# KiCad board PB-TMDSP.kicad_pcb (continued)
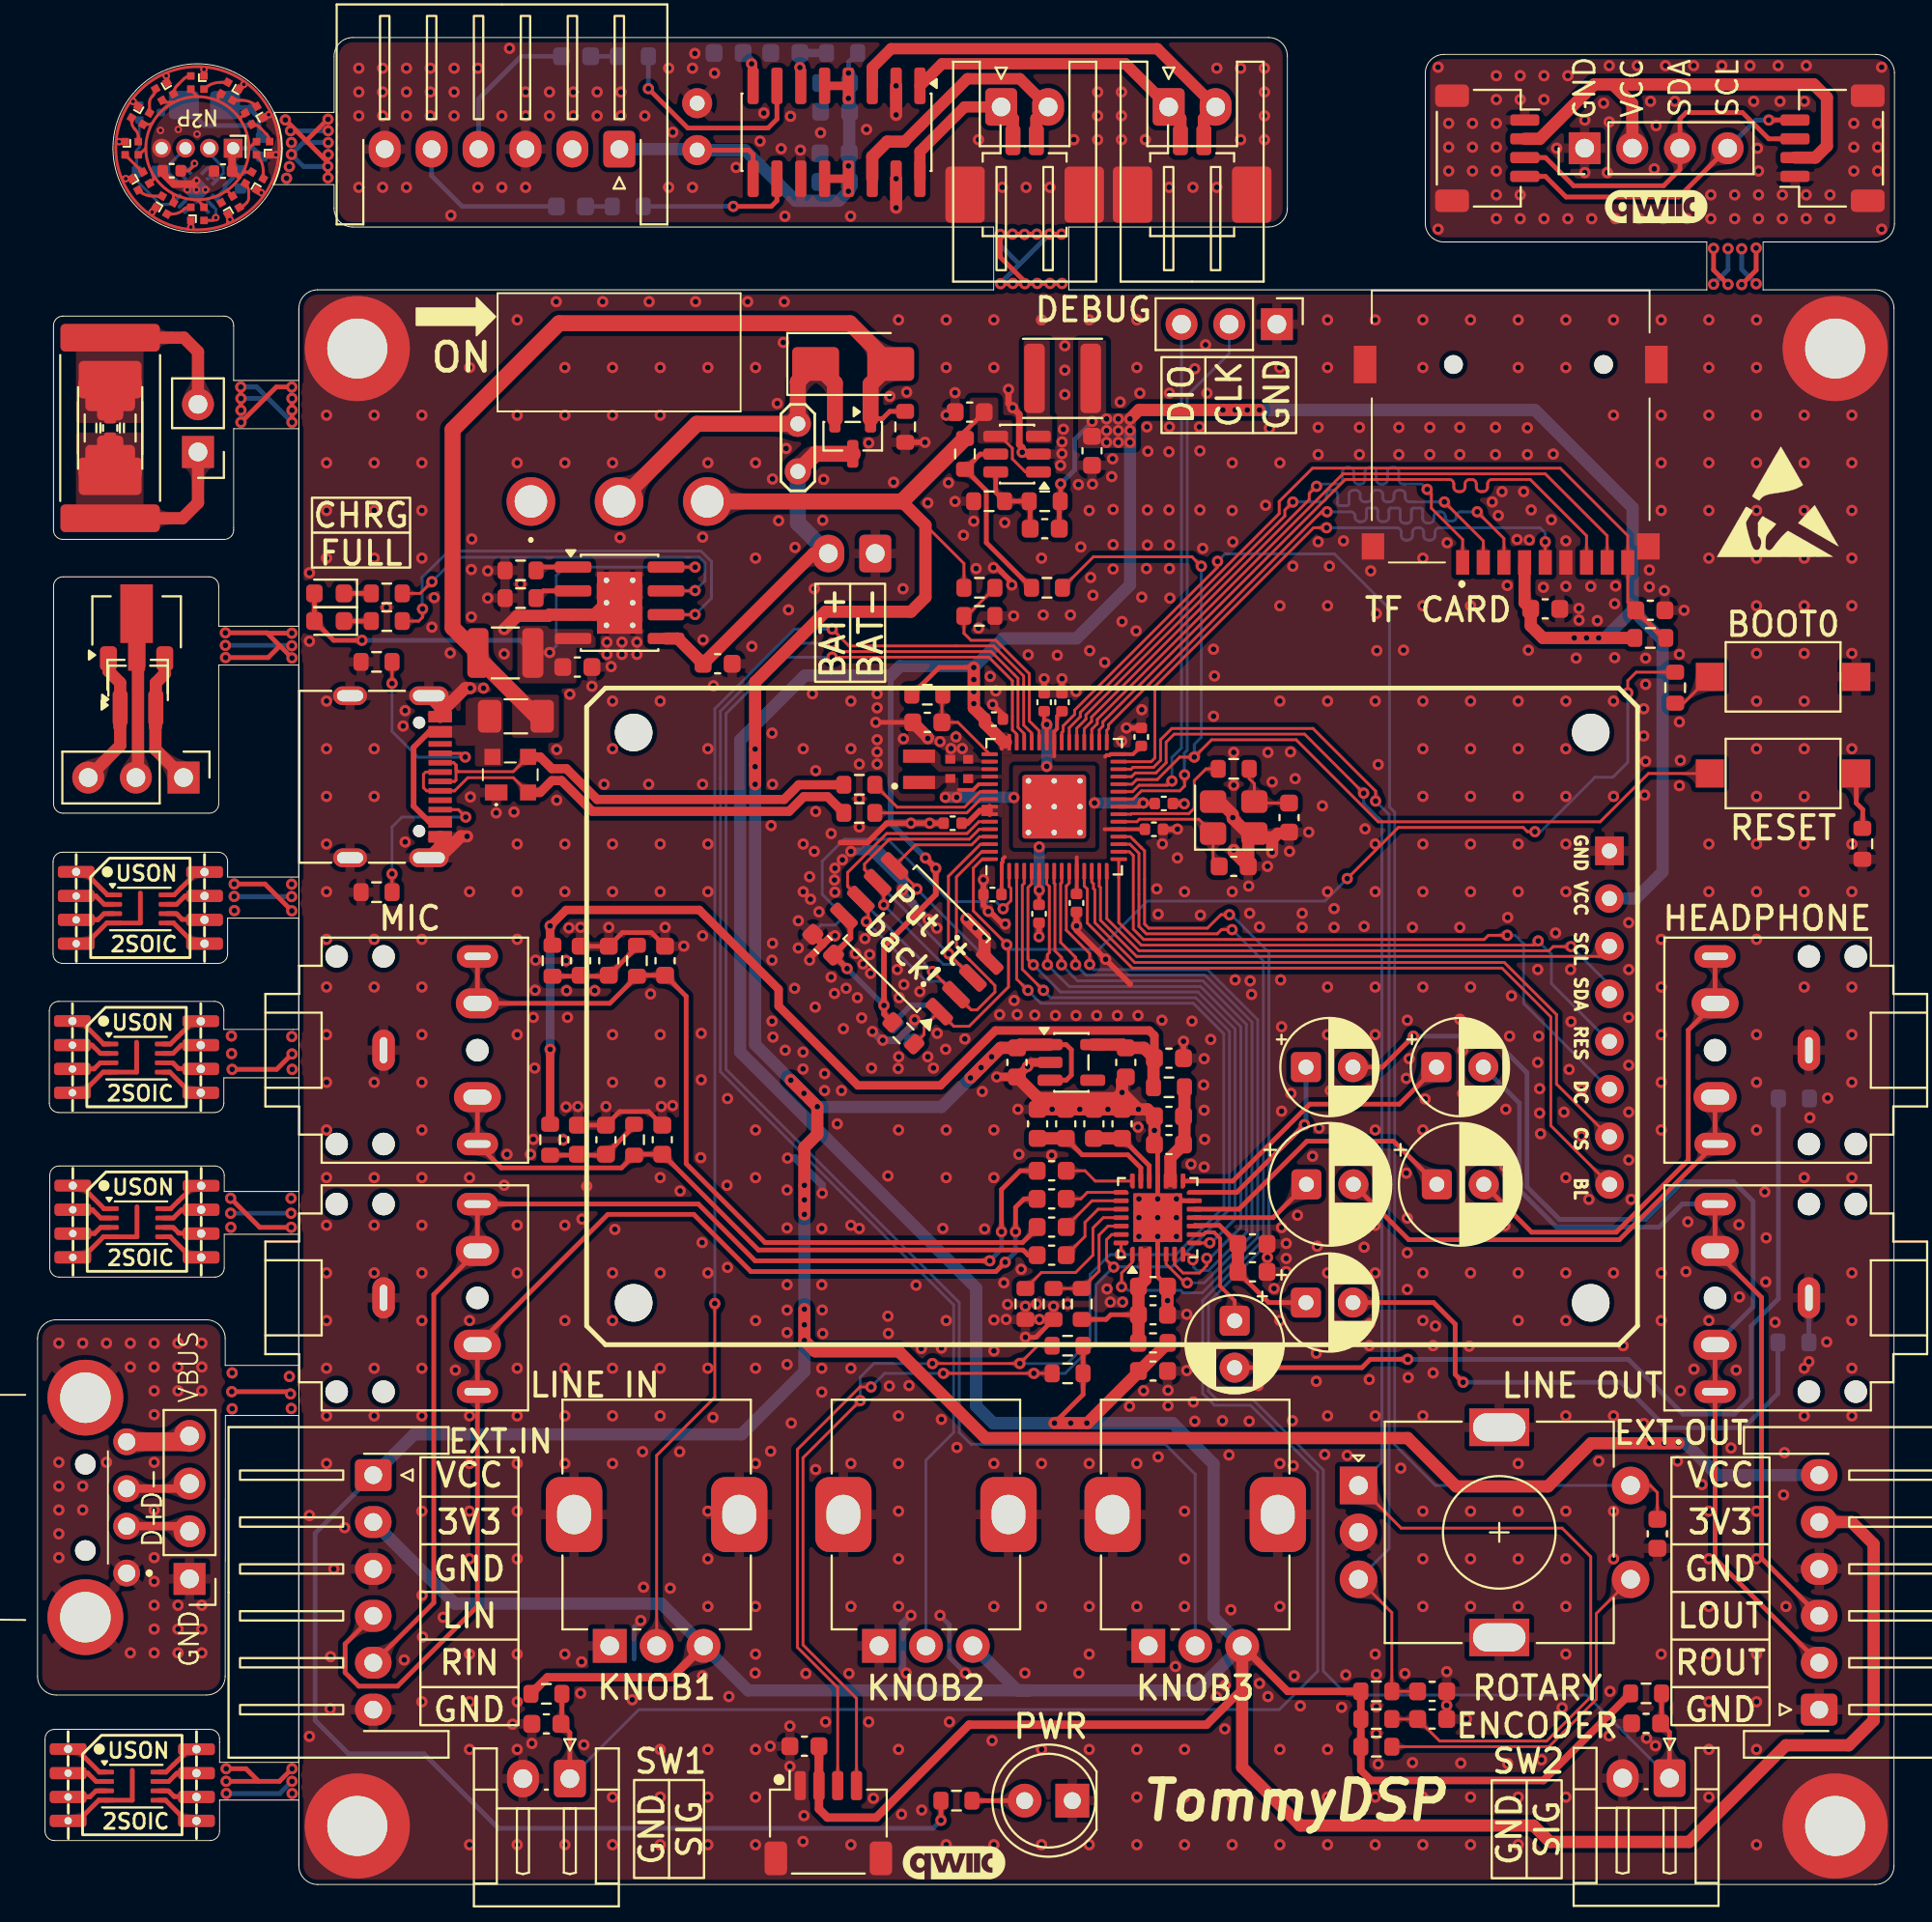
[diagram p0: board, top side]
## Placement (name value [footprint] x y rotation side) (continued)
R310  0  [R_0603_1608Metric]  52.64 30.94 270 top  (not fitted)
R401  1k  [R_0603_1608Metric]  18.61 67.34 0 top
R402  1k  [R_0603_1608Metric]  18.61 68.82 0 top
R403  499k  [R_0603_1608Metric]  49.42 76.26 90 top
R404  0.5  [R_1210_3225Metric]  24.93 65.64 0 top
R405  115k  [R_0603_1608Metric]  53.67 73.73 180 top
R406  25.5k  [R_0603_1608Metric]  50.71 73.73 180 top
R407  1.2k  [R_0603_1608Metric]  25.74 68.57 180 top
R408  0  [R_0603_1608Metric]  25.74 70.04 180 top
R409  10k  [R_0603_1608Metric]  46.23 77.7 270 top
R410  1k  [R_0603_1608Metric]  48.96 4.47 0 top
R501  100k  [R_0603_1608Metric]  50.19 69.12 0 top
R502  100k  [R_0603_1608Metric]  50.19 67.62 0 top
R503  5.1k  [R_0603_1608Metric]  18.06 65.17 180 top
R504  5.1k  [R_0603_1608Metric]  18.06 52.89 180 top
R505  100k  [R_0603_1608Metric]  27.12 10.16 0 top
R506  100k  [R_0603_1608Metric]  85.71 10.19 0 top
R507  100k  [R_0603_1608Metric]  71.34 8.82 0 top
R508  100k  [R_0603_1608Metric]  71.34 10.29 0 top
R509  100k  [R_0603_1608Metric]  85.94 66.44 0 top
R510  100k  [R_0603_1608Metric]  71.34 7.34 0 top
REF**  -  [ESD-Logo_6.6x6mm_SilkScreen]  92.74 73.72 0 top
REF**#2  -  [KiCad-Logo2_6mm_SilkScreen]  72.42 51.22 180 bottom
RV501  ALPS RK09L  [Potentiometer_Alps_RK09K_Single_Vertical]  30.49 12.72 90 top
RV502  ALPS RK09L  [Potentiometer_Alps_RK09K_Single_Vertical]  44.84 12.72 90 top
RV503  ALPS RK09L  [Potentiometer_Alps_RK09K_Single_Vertical]  59.19 12.72 90 top
S401  SS-12D06L5  [SS12D06L5]  26.29 73.72 0 top
SW201  SW_Push  [SW_SPST_CK_RS282G05A3]  93.02 64.37 180 top
SW202  SW_Push  [SW_SPST_CK_RS282G05A3]  93.02 59.22 180 top
SW501  RotaryEncoder_Switch_MP  [RotaryEncoder_Alps_EC11E-Switch_Vertical_H20mm]  70.39 21.27 0 top
U1  W25Q16JVUXIQ  [Winbond_USON-8-1EP_3x2mm_P0.5mm_EP0.2x1.6mm]  5.3 35.27 0 top
U1#2  PAM8406D  [SOIC-16_3.9x9.9mm_P1.27mm]  42.58 93.4 270 top
U1#3  W25Q16JVUXIQ  [Winbond_USON-8-1EP_3x2mm_P0.5mm_EP0.2x1.6mm]  5.48 52 0 top
U1#4  W25Q16JVUXIQ  [Winbond_USON-8-1EP_3x2mm_P0.5mm_EP0.2x1.6mm]  5.28 44.05 0 top
U1#5  W25Q16JVUXIQ  [Winbond_USON-8-1EP_3x2mm_P0.5mm_EP0.2x1.6mm]  5.05 5.24 0 top
U1#6  CH32V002D4U6  [UQFN-12-1EP_2x2mm_P0.4mm_EP1.1x1.1mm]  8.47 90.34 225 bottom
U2  W25Q32JVSS  [Custom-TopBottom-SOIC-8_5.3x5.3mm_P1.27mm]  5.28 44.11 0 top
U2#2  W25Q32JVSS  [Custom-TopBottom-SOIC-8_5.3x5.3mm_P1.27mm]  5.48 52.06 0 top
U2#3  W25Q32JVSS  [Custom-TopBottom-SOIC-8_5.3x5.3mm_P1.27mm]  5.05 5.3 0 top
U2#4  W25Q32JVSS  [Custom-TopBottom-SOIC-8_5.3x5.3mm_P1.27mm]  5.3 35.33 0 top
U201  W25Q128JVS  [SOIC-8_5.3x5.3mm_P1.27mm]  46.85 50.41 135 top
U202  DNF  [SOIC-8_5.3x5.3mm_P1.27mm]  46.87 50.42 315 bottom
U203  RP2350_60QFN  [RP2350-QFN-60-1EP_7x7_P0.4mm_EP3.4x3.4mm_ThermalVias]  54.18 57.45 90 top
U301  ES8388/WM8988  [QFN-28-1EP_4x4mm_P0.45mm_EP2.6x2.6mm]  59.69 35.54 90 top
U401  TPS7A2033PDBVR  [SOT-23-5]  55.09 43.82 0 top
U402  TPS62A01APDDC  [SOT-23-6]  52.2 76.24 180 top
U403  TP4056-42-ESOP8  [SOIC-8-1EP_3.9x4.9mm_P1.27mm_EP2.41x3.3mm_ThermalVias]  31.02 68.32 0 top
Y201  ABM8-272-T3  [Crystal_SMD_3225-4Pin_3.2x2.5mm]  63.74 56.87 0 top

## Library data of the parts
BZ1 = -: Description: Buzzer, polarized
C1 C2 C2#2 C3 C3#2 C4-C9 C301-C315 C320-C325 C401-C407 C501-C509 = -: Description: Unpolarized capacitor
C1#2 C316-C319 C326 C327 = -: Description: Polarized capacitor
D1-D12 = -: Datasheet: https://cdn-shop.adafruit.com/product-files/5849/SK6805-EC10-000_REV.01_EN.pdf; Description: RGB LED with integrated controller
D13 = -: Description: Diode; Sim.Device: D; Sim.Pins: 1=K 2=A
D401 D402 D404 = -: Description: Light emitting diode; Sim.Pins: 1=K 2=A
D403 = -: Datasheet: https://www.vishay.com/docs/88751/ss32.pdf; Description: 40V 3A Schottky Diode, SMA
D501 = -: Datasheet: https://www.bourns.com/docs/Product-Datasheets/CD143A-SR05_12.pdf; Description: TVS Diode Array 500W Vcc,2xData SOT143; Height: 1.24; Manufacturer_Name: Bourns; Mouser Part Number: 652-CD143A-SR05; Mouser Price/Stock: https://www.mouser.co.uk/ProductDetail/Bourns/CD143A-SR05?qs=tQpxx9W%2FqMmkp6h6iUxcCg%3D%3D; Arrow Price/Stock: https://www.arrow.com/en/products/cd143a-sr05/bourns?region=nac
F501 = -: Description: Resettable fuse, polymeric positive temperature coefficient
FB301 = -: Description: Ferrite bead
H101-H104 = -: Description: Mounting Hole with connection
J1 J509 = -: Description: Generic connector, single row, 01x03, script generated
J1#2 J2#2 = -: Description: Generic connector, single row, 01x04, script generated
J1#3 = -: Description: Generic connector, single row, 01x02, script generated (kicad-library-utils/schlib/autogen/connector/)
J1#4 J505 J508 = -: Description: Generic connector, single row, 01x06, script generated
J1#5 = -: Description: Generic connector, single row, 01x04, script generated (kicad-library-utils/schlib/autogen/connector/)
J1#6 = -: Datasheet: http://suddendocs.samtec.com/prints/usb-am-s-x-x-th-x-mkt.pdf; Description: Conn USB 2.0 Type A PL 4 POS 2mm/2.5mm Solder RA Thru-Hole 4 Terminal 1 Port Bulk; Height: 4.6; Manufacturer_Name: SAMTEC; Mouser Part Number: 200-USBAMSFBTH; Mouser Price/Stock: https://www.mouser.co.uk/ProductDetail/Samtec/USB-AM-S-F-B-TH?qs=Cqqh%252BS766wkVA4Y1oUegpA%3D%3D; Arrow Price/Stock: https://www.arrow.com/en/products/usb-am-s-f-b-th/samtec?region=nac
J2 J3#2 J401 J503 J507 = -: Description: Generic connector, single row, 01x02, script generated
J2#3 J3 J512 = -: Description: Generic connectable mounting pin connector, single row, 01x04, script generated (kicad-library-utils/schlib/autogen/connector/)
J4 J6 = -: Description: Generic connectable mounting pin connector, single row, 01x02, script generated (kicad-library-utils/schlib/autogen/connector/)
J501 = -: Datasheet: https://www.usb.org/sites/default/files/documents/usb_type-c.zip; Description: USB 2.0-only 16P Type-C Receptacle connector
J502 J504 J506 J510 = -: Description: Audio Jack, 3 Poles (Stereo / TRS), Switched TR Poles (Normalling)
J511 = -: Datasheet: https://datasheet.lcsc.com/lcsc/2110151630_XKB-Connectivity-XKTF-015-N_C381082.pdf; Description: Micro SD Card Socket with one card detection pin
JP401 = -: Description: Jumper, 2-pole, open
L401 = -: Description: Inductor
Q1-Q3 = -: Description: NPN transistor, base/collector/emitter; Sim.Device: NPN; Sim.Pins: 1=B 2=C 3=E
Q1#2 = -: Description: N-MOSFET transistor, gate/source/drain
Q401 = -: Datasheet: http://www.aosmd.com/pdfs/datasheet/AO3401A.pdf; Description: -4.0A Id, -30V Vds, P-Channel MOSFET, SOT-23
R1 R1#2 R1#3 R2 R2#2 R2#3 R3 R3#2 R4-R7 R101-R103 R301-R310 R401-R410 R501-R510 = -: Description: Resistor
RV501-RV503 = -: Description: Potentiometer with a mounting pin
S401 = -: Datasheet: http://www.helloxkb.com/public/images/pdf/SS-12D06XXX.pdf; Description: Toggle switch, vertical bent foot two gears, plug-in, single row of high temperature salt fog resistant 24 hours,12.95x6.6x6.3 flat black handle 5mm; Height: 6.6; Manufacturer_Name: XKB Connectivity
SW501 = -: Description: Rotary encoder, dual channel, incremental quadrate outputs, with switch and MP Pin
U1 U1#3-U1#5 = -: Datasheet: http://www.winbond.com/resource-files/w25q32jv%20revg%2003272018%20plus.pdf; Description: 32Mbit / 4MiB Serial Flash Memory, Standard/Dual/Quad SPI, 2.7-3.6V, WSON-8
U1#2 = -: Datasheet: https://www.diodes.com/assets/Datasheets/PAM8406.pdf; Description: 5W Filterless Class-D / Class-AB Stereo Audio Amplifier, SOIC-16
U2 U2#2-U2#4 = -: Datasheet: http://www.winbond.com/resource-files/w25q32jv%20revg%2003272018%20plus.pdf; Description: 32Mbit / 4MiB Serial Flash Memory, Standard/Dual/Quad SPI, 2.7-3.6V, SOIC-8 (208 mil)
U201 U202 = -: Datasheet: http://www.winbond.com/resource-files/w25q128jv_dtr%20revc%2003272018%20plus.pdf
U301 = -: Datasheet: http://www.everest-semi.com/pdf/ES8388%20DS.pdf; Description: Low Power Stereo Audio CODEC With Headphone Amplifier, 24-bit, 8kHz - 96kHz ADC / DAC sampling frequency, 1.8V - 3.3V supply, WQFN-28
U401 = -: Datasheet: https://www.ti.com/lit/ds/symlink/tps7a05.pdf; Description: 200-mA Ultra-Low-Iq LDO, 3.3V, SOT-23-5
U402 = -: Datasheet: https://www.ti.com/lit/gpn/tps62a01a; Description: High Efficiency Synchronous Buck Converter with forced PWM, Adjustable Output 0.6V-5.5V, 1A, Power Good, Enable, SOT-23-6
U403 = -: Datasheet: https://www.lcsc.com/datasheet/lcsc_datasheet_2410121619_TOPPOWER-Nanjing-Extension-Microelectronics-TP4056-42-ESOP8_C16581.pdf; Description: 1A Standalone Linear Li-ion/LiPo single-cell battery charger, 4.2V ±1% charge voltage, VCC = 4.0..8.0V, SOIC-8 (SOP-8)

## Footprints (pads in the part's own frame, mm; a bottom-side part is the same pattern mirrored in y, then rotated)
1.8'_ST7735_128x160_TFT_Module
  round 2 hole 2 unplated: (-15.009,22.176) (-15.009,-28.825) (15.391,22.176) (15.391,-28.825)
  rect 1.524x1.524 hole 0.8: 1(-8.7,23.17)
  oval 1.524x1.524 hole 0.8: 2(-6.16,23.17) 3(-3.62,23.17) 4(-1.08,23.17) 5(1.46,23.17) 6(4,23.17) 7(6.54,23.17) 8(9.082,23.181)
Buzzer_SMD_3.2x3.2mm
  rrect 1.5x1.6 smd: 1(0,1.1) 2(0,-1.1)
C_0402_1005Metric
  rrect 0.56x0.62 smd: 1(-0.48,0) 2(0.48,0)
C_0402_1005Metric_small_pads
  rect 0.47x0.53 smd: 1(-0.515,0) 2(0.515,0)
C_0603_1608Metric
  rrect 0.9x0.95 smd: 1(-0.775,0) 2(0.775,0)
C_Radial_D6.3mm_H7.0mm_P2.50mm
  round 1.6 hole 0.8: 1(0,0) 2(2.5,0)
CD143ASR05
  rect 1.2x0.85 smd: 1(-0.75,-0.95)
  rect 0.85x0.85 smd: 2(0.95,-0.95) 3(0.95,0.95) 4(-0.95,0.95)
CP_Radial_D5.0mm_P2.50mm
  rrect 1.6x1.6 hole 0.8: 1(0,0)
  round 1.6 hole 0.8: 2(2.5,0)
CP_Radial_D6.3mm_P2.50mm
  rrect 1.6x1.6 hole 0.8: 1(0,0)
  round 1.6 hole 0.8: 2(2.5,0)
Crystal_SMD_3225-4Pin_3.2x2.5mm
  rrect 1.4x1.2 smd: 1(-1.1,-0.85) 2(1.1,-0.85) 3(1.1,0.85) 4(-1.1,0.85)
Custom-TopBottom-SOIC-8_5.3x5.3mm_P1.27mm
  rrect 1.95x0.62 hole 0.44: 1(-3.42,1.92)
  rrect 1.95x0.65 hole 0.4: 2(-3.42,0.635) 3(-3.42,-0.635) 4(-3.42,-1.905)
  rrect 1.95x0.65 hole 0.45: 5(3.42,-1.905) 6(3.42,-0.635) 7(3.42,0.635)
  rrect 1.95x0.62 hole 0.45: 8(3.42,1.91)
D_SMA
  rrect 2.5x1.8 smd: 1(-2,0) 2(2,0)
D_SOD-923
  rrect 0.36x0.25 smd: 1(-0.42,0) 2(0.42,0)
Fuse_1206_3216Metric
  rrect 1.25x1.75 smd: 1(-1.4,0) 2(1.4,0)
Jack_3.5mm_CUI_SJ1-3525N_Horizontal
  round 1.2 hole 1.2 unplated: (-5,0) (-5,-2.5) (0,5) (5,0) (5,-2.5)
  oval 1.2x2.2 hole 0.4x1.4: R(-5,5) T(5,5)
  oval 1.6x2.3 hole 0.8x1.5: RN(-2.5,5)
  oval 2.2x1.2 hole 1.4x0.4: S(0,0)
  oval 1.6x2.5 hole 0.8x1.5: TN(2.5,5)
JST_EH_S2B-EH_1x02_P2.50mm_Horizontal
  rrect 1.7x2 hole 1: 1(0,0)
  oval 1.7x2 hole 1: 2(2.5,0)
JST_SH_SM04B-SRSS-TB_1x04-1MP_P1.00mm_Horizontal
  rrect 0.6x1.55 smd: 1(-1.5,2) 2(-0.5,2) 3(0.5,2) 4(1.5,2)
  rrect 1.2x1.8 smd: MP(-2.8,-1.875) MP(2.8,-1.875)
JST_XH_B2B-XH-A_1x02_P2.50mm_Vertical
  rrect 1.7x2 hole 1: 1(0,0)
  oval 1.7x2 hole 1: 2(2.5,0)
JST_XH_S2B-XH-A_1x02_P2.50mm_Horizontal
  rrect 1.7x2 hole 1: 1(0,0)
  oval 1.7x2 hole 1: 2(2.5,0)
JST_XH_S6B-XH-A-1_1x06_P2.50mm_Horizontal
  rrect 1.7x1.95 hole 0.95: 1(0,0)
  oval 1.7x1.95 hole 0.95: 2(2.5,0) 3(5,0) 4(7.5,0) 5(10,0) 6(12.5,0)
L_0603_1608Metric
  rrect 0.875x0.95 smd: 1(-0.787,0) 2(0.787,0)
L_APV_ANR4020
  rrect 1.1x3.7 smd: 1(-1.5,0) 2(1.5,0)
L_pol_2016
  rect 0.7x1.7 smd: 1(-0.7,0) 2(0.7,0)
LED_0603_1608Metric
  rrect 0.875x0.95 smd: 1(-0.787,0) 2(0.787,0)
LED_D5.0mm
  rect 1.8x1.8 hole 0.9: 1(0,0)
  round 1.8 hole 0.9: 2(2.54,0)
Molex_PicoBlade_53261-0271_1x02-1MP_P1.25mm_Horizontal
  rrect 0.8x1.6 smd: 1(-0.625,2.4) 2(0.625,2.4)
  rrect 2.1x3 smd: MP(-3.175,-0.5) MP(3.175,-0.5)
MountingHole_3.2mm_M3_DIN965_Pad_TopBottom
  round 3.6 hole 3.2: 1(0,0)
  round 5.6 smd: 1(0,0)
  round 5.6 smd far side: 1(0,0)
PinHeader_1x02_P2.54mm_Vertical
  rect 1.7x1.7 hole 1: 1(0,0)
  round 1.7 hole 1: 2(0,-2.54)
PinHeader_1x03_P2.54mm_Vertical
  rect 1.7x1.7 hole 1: 1(0,0)
  round 1.7 hole 1: 2(0,-2.54) 3(0,-5.08)
PinHeader_1x04_P1.27mm_Vertical
  rect 1x1 hole 0.65: 1(0,0)
  round 1 hole 0.65: 2(0,-1.27) 3(0,-2.54) 4(0,-3.81)
PinHeader_1x04_P2.54mm_Vertical
  rect 1.7x1.7 hole 1: 1(0,0)
  round 1.7 hole 1: 2(0,-2.54) 3(0,-5.08) 4(0,-7.62)
Potentiometer_Alps_RK09K_Single_Vertical
  rect 1.8x1.8 hole 1: 1(0,0)
  round 1.8 hole 1: 2(0,-2.5) 3(0,-5)
  rrect 4x3 hole 2.1x1.8: MP(7,1.9) MP(7,-6.9)
QFN-28-1EP_4x4mm_P0.45mm_EP2.6x2.6mm
  rrect 1.05x1.05 smd: (-0.65,0.65) (-0.65,-0.65) (0.65,0.65) (0.65,-0.65)
  custom 0.8x0.25 smd: 1(-1.95,1.35) 7(-1.95,-1.35) 15(1.95,-1.35) 21(1.95,1.35)
  rrect 0.8x0.25 smd: 2(-1.95,0.9) 3(-1.95,0.45) 4(-1.95,0) 5(-1.95,-0.45) 6(-1.95,-0.9) 16(1.95,-0.9) 17(1.95,-0.45) 18(1.95,0) 19(1.95,0.45) 20(1.95,0.9)
  custom 0.25x0.8 smd: 8(-1.35,-1.95) 14(1.35,-1.95) 22(1.35,1.95) 28(-1.35,1.95)
  rrect 0.25x0.8 smd: 9(-0.9,-1.95) 10(-0.45,-1.95) 11(0,-1.95) 12(0.45,-1.95) 13(0.9,-1.95) 23(0.9,1.95) 24(0.45,1.95) 25(0,1.95) 26(-0.45,1.95) 27(-0.9,1.95)
  rect 2.6x2.6 smd: 29(0,0)
R_0402_1005Metric
  rrect 0.54x0.64 smd: 1(-0.51,0) 2(0.51,0)
R_0603_1608Metric
  rrect 0.8x0.95 smd: 1(-0.825,0) 2(0.825,0)
R_0805_2012Metric
  rrect 1.025x1.4 smd: 1(-0.912,0) 2(0.912,0)
R_1210_3225Metric
  rrect 1.125x2.65 smd: 1(-1.462,0) 2(1.462,0)
R_1812_4532Metric
  rrect 1.125x3.4 smd: 1(-2.138,0) 2(2.138,0)
R_2512_6332Metric
  rrect 1.225x3.35 smd: 1(-2.962,0) 2(2.962,0)
R_4020_10251Metric
  rrect 1.475x5.3 smd: 1(-4.812,0) 2(4.812,0)
RotaryEncoder_Alps_EC11E-Switch_Vertical_H20mm
  rect 2x2 hole 1: A(0,0)
  round 2 hole 1: B(0,-5) C(0,-2.5) S1(14.5,-5) S2(14.5,0)
  rect 3.2x2 hole 2.8x1.5: MP(7.5,3.1) MP(7.5,-8.1)
RP2350-QFN-60-1EP_7x7_P0.4mm_EP3.4x3.4mm_ThermalVias
  rrect 1.2x1.2 smd: (-0.7,0.7) (-0.7,-0.7) (0.7,0.7) (0.7,-0.7)
  rrect 0.875x0.2 smd: 1(-3.438,2.8) 2(-3.438,2.4) 3(-3.438,2) 4(-3.438,1.6) 5(-3.438,1.2) 6(-3.438,0.8) 7(-3.438,0.4) 8(-3.438,0) 9(-3.438,-0.4) 10(-3.438,-0.8) 11(-3.438,-1.2) 12(-3.438,-1.6) 13(-3.438,-2) 14(-3.438,-2.4) 15(-3.438,-2.8) 31(3.438,-2.8) 32(3.438,-2.4) 33(3.438,-2) 34(3.438,-1.6) 35(3.438,-1.2) 36(3.438,-0.8) 37(3.438,-0.4) 38(3.438,0) 39(3.438,0.4) 40(3.438,0.8) 41(3.438,1.2) 42(3.438,1.6) 43(3.438,2) 44(3.438,2.4) 45(3.438,2.8)
  rrect 0.2x0.875 smd: 16(-2.8,-3.438) 17(-2.4,-3.438) 18(-2,-3.438) 19(-1.6,-3.438) 20(-1.2,-3.438) 21(-0.8,-3.438) 22(-0.4,-3.438) 23(0,-3.438) 24(0.4,-3.438) 25(0.8,-3.438) 26(1.2,-3.438) 27(1.6,-3.438) 28(2,-3.438) 29(2.4,-3.438) 30(2.8,-3.438) 46(2.8,3.438) 47(2.4,3.438) 48(2,3.438) 49(1.6,3.438) 50(1.2,3.438) 51(0.8,3.438) 52(0.4,3.438) 53(0,3.438) 54(-0.4,3.438) 55(-0.8,3.438) 56(-1.2,3.438) 57(-1.6,3.438) 58(-2,3.438) 59(-2.4,3.438) 60(-2.8,3.438)
  round 0.6 hole 0.3: 61(-1.375,1.375) 61(-1.375,0) 61(-1.375,-1.375) 61(0,1.375) 61(0,0) 61(0,-1.375) 61(1.375,1.375) 61(1.375,0) 61(1.375,-1.375)
  rrect 3.4x3.4 smd: 61(0,0)
SK6805-EC10
  rrect 0.4x0.4 smd: 1(-0.35,0.35) 2(-0.35,-0.35) 3(0.35,-0.35) 4(0.35,0.35)
SOIC-8-1EP_3.9x4.9mm_P1.27mm_EP2.41x3.3mm_ThermalVias
  rrect 1.01x1.38 smd: (-0.6,0.825) (-0.6,-0.825) (0.6,0.825) (0.6,-0.825)
  rrect 1.95x0.6 smd: 1(-2.475,1.905) 2(-2.475,0.635) 3(-2.475,-0.635) 4(-2.475,-1.905) 5(2.475,-1.905) 6(2.475,-0.635) 7(2.475,0.635) 8(2.475,1.905)
  round 0.6 hole 0.3: 9(-0.7,1.2) 9(-0.7,0) 9(-0.7,-1.2) 9(0.7,1.2) 9(0.7,0) 9(0.7,-1.2)
  rect 1.9x2.9 smd far side: 9(0,0)
  rect 2.41x3.3 smd: 9(0,0)
SOIC-8_5.3x5.3mm_P1.27mm
  rrect 1.625x0.65 smd: 1(-3.587,1.905) 2(-3.587,0.635) 3(-3.587,-0.635) 4(-3.587,-1.905) 5(3.587,-1.905) 6(3.587,-0.635) 7(3.587,0.635) 8(3.587,1.905)
SOIC-16_3.9x9.9mm_P1.27mm
  rrect 1.95x0.6 smd: 1(-2.475,4.445) 2(-2.475,3.175) 3(-2.475,1.905) 4(-2.475,0.635) 5(-2.475,-0.635) 6(-2.475,-1.905) 7(-2.475,-3.175) 8(-2.475,-4.445) 9(2.475,-4.445) 10(2.475,-3.175) 11(2.475,-1.905) 12(2.475,-0.635) 13(2.475,0.635) 14(2.475,1.905) 15(2.475,3.175) 16(2.475,4.445)
SOT-23
  rrect 1.475x0.6 smd: 1(-0.938,0.95) 2(-0.938,-0.95) 3(0.938,0)
SOT-23-5
  rrect 1.325x0.6 smd: 1(-1.137,0.95) 2(-1.137,0) 3(-1.137,-0.95) 4(1.137,-0.95) 5(1.137,0.95)
SOT-23-6
  rrect 1.325x0.6 smd: 1(-1.137,0.95) 2(-1.137,0) 3(-1.137,-0.95) 4(1.137,-0.95) 5(1.137,0) 6(1.137,0.95)
SOT-23_Handsoldering
  rrect 1.9x0.8 smd: 1(-1.5,0.95) 2(-1.5,-0.95) 3(1.5,0)
SOT-23W_Handsoldering
  rrect 2x0.7 smd: 1(-1.7,0.95) 2(-1.7,-0.95) 3(1.7,0)
SOT-89-3
  rrect 1.3x0.9 smd: 1(-1.95,1.5) 3(-1.95,-1.5)
  custom 4.6x1.733 smd: 2(-1.863,0)
SOT-723
  rrect 0.45x0.4 smd: 1(-0.575,0.4) 2(-0.575,-0.4) 3(0.575,0)
SS12D06L5
  round 2.595 hole 1.73: 1(0,0) 2(4.7,0) 3(9.4,0)
SW_SPST_CK_RS282G05A3
  rect 1.5x1.5 smd: 1(-3.9,0) 2(3.9,0)
TestPoint_2Pads_Pitch2.54mm_Drill0.8mm
  round 1.4 hole 0.8: 1(0,0) 2(2.54,0)
TF01A
  round 1 hole 1 unplated: (-4.95,-3.3) (3.05,-3.3)
  rect 0.7x1.3 smd: 1(2.56,7.25) 2(1.46,7.25) 3(0.36,7.25) 4(-0.74,7.25) 5(-1.84,7.25) 6(-2.94,7.25) 7(-4.04,7.25) 8(-5.14,7.25) 9(-6.24,7.25)
  rect 1.2x2 smd: 10(-7.76,-3.3) 10(7.76,-3.3)
  rect 1.2x1.4 smd: 10(-7.34,6.4) 10(7.34,6.4)
UQFN-12-1EP_2x2mm_P0.4mm_EP1.1x1.1mm
  rrect 0.89x0.89 smd: (0,0)
  rrect 0.625x0.2 smd: 1(-1.062,0.4) 2(-1.062,0) 3(-1.062,-0.4) 7(1.062,-0.4) 8(1.062,0) 9(1.062,0.4)
  rrect 0.2x0.625 smd: 4(-0.4,-1.062) 5(0,-1.062) 6(0.4,-1.062) 10(0.4,1.062) 11(0,1.062) 12(-0.4,1.062)
  rect 1.1x1.1 smd: 13(0,0)
USB_C_Receptacle_G-Switch_GT-USB-7010ASV
  round 0.65 hole 0.65 unplated: (-2.89,2.605) (2.89,2.605)
  rect 0.6x1.24 smd: A1(-3.2,3.725) A4(-2.4,3.725) A9(2.4,3.725) A12(3.2,3.725) B1(3.2,3.725) B4(2.4,3.725) B9(-2.4,3.725) B12(-3.2,3.725)
  rect 0.3x1.24 smd: A5(-1.25,3.725) A6(-0.25,3.725) A7(0.25,3.725) A8(1.25,3.725) B5(1.75,3.725) B6(0.75,3.725) B7(-0.75,3.725) B8(-1.75,3.725)
  oval 1x2.1 hole 0.6x1.7: S1(-4.32,3.125) S1(4.32,3.125)
  oval 1x1.8 hole 0.6x1.4: S1(-4.32,-1.075) S1(4.32,-1.075)
USBAMSFBTH
  round 1.1 hole 1.1 unplated: (-5.8,-2.2) (-1.2,-2.2)
  round 1.431 hole 0.92: 1(0,0) 2(-2.5,0) 3(-4.5,0) 4(-7,0)
  round 4.039 hole 2.693: MH1(-9.35,-2.2) MH2(2.35,-2.2)
Winbond_USON-8-1EP_3x2mm_P0.5mm_EP0.2x1.6mm
  rrect 0.16x1.29 smd: (0,0)
  rrect 0.9x0.25 smd: 1(-1.425,0.75) 2(-1.425,0.25) 3(-1.425,-0.25) 4(-1.425,-0.75) 5(1.425,-0.75) 6(1.425,-0.25) 7(1.425,0.25) 8(1.425,0.75)
  rect 0.2x1.6 smd: 9(0,0)

## Nets
+1V1: C204.1 C207.1 C209.1 C210.1 L201.1 U203.6 U203.23 U203.39 U203.50
+3.3VA: C304.1 C404.1 R303.1 R304.1 R306.1 U401.5
+3V3: C201.1 C202.1 C203.1 C211.1 C212.1 C213.1 C214.1 C215.1 C216.1 C217.1 C405.1 C406.1 C503.1 C506.1 C509.1 FB301.1 J1#2.2 J2#3.2 J3.2 J505.2 J508.5 J511.4 J512.2 L401.2 LCD501.2 R102.1 R103.1 R201.1 R202.1 R204.1 R405.1 R505.1 R506.1 R507.1 R508.1 R509.1 R510.1 RV501.3 RV502.3 RV503.3 U201.8 U202.8 U203.1 U203.11 U203.20 U203.30 U203.38 U203.44 U203.45 U203.49 U203.53 U203.54
/Audio/AVDD: C309.1 C311.1 R303.2 U301.16 U301.17
/Audio/DVDD: C308.1 C310.1 FB301.2 R301.1 U301.2 U301.3
/VBAT_ADC: R501.2 R502.1 U203.40
GND: C1.2 C1#2.2 C2.2 C3.2 C4.2 C5.2 C6.2 C7.1 C8.2 C9.2 C201.2 C202.2 C203.2 C204.2 C205.2 C206.2 C207.2 C208.2 C209.2 C210.2 C211.2 C212.2 C213.2 C214.2 C215.2 C216.2 C217.2 C301.2 C302.2 C303.2 C304.2 C305.2 C306.2 C307.2 C308.2 C309.2 C310.2 C311.2 C320.2 C321.2 C322.2 C323.2 C324.2 C325.2 C401.2 C402.2 C403.2 C404.2 C406.2 C407.2 C501.2 C502.2 C503.2 C504.2 C505.2 C506.2 C507.2 C508.2 C509.2 D1.1 D2.1 D3.1 D4.1 D5.1 D6.1 D7.1 D8.1 D9.1 D10.1 D11.1 D12.1 D404.1 D501.1 H101.1 H102.1 H103.1 H104.1 J1#2.1 J1#4.3 J1#4.6 J1#5.4 J1#6.1 J1#6.MH1 J1#6.MH2 J2#2.1 J2#3.1 J2#3.MP J3.1 J3.MP J4.MP J6.MP J401.1 J501.A1 J501.A12 J501.B1 J501.B12 J501.S1 J502.S J503.2 J504.S J505.3 J505.6 J506.S J507.2 J508.1 J508.4 J509.1 J510.S J511.6 J511.10 J512.1 J512.MP LCD501.1 Q1#2.2 R1#3.2 R203.2 R302.1 R308.1 R309.2 R310.2 R406.2 R407.2 R408.2 R409.2 R502.2 R503.2 R504.2 RV501.1 RV501.MP RV502.1 RV502.MP RV503.1 RV503.MP SW201.1 SW501.C SW501.MP U1.4 U1.9 U1#2.2 U1#2.11 U1#2.15 U1#3.4 U1#3.9 U1#4.4 U1#4.9 U1#5.4 U1#5.9 U1#6.13 U2.4 U2#2.4 U2#3.4 U2#4.4 U201.4 U202.4 U203.47 U203.61 U301.4 U301.13 U301.18 U301.29 U401.2 U402.2 U403.3 U403.9 Y201.2 Y201.4
VBAT: C407.1 J401.2 JP401.1 Q401.3 U403.5
VBUS: D403.2 F501.2 J1#6.4 J2#2.4 Q401.1 R404.1 R409.1
VCC: C1.1 C1#2.1 C2.1 C4.1 C6.1 C8.1 C9.1 C401.1 C402.1 D1.3 D2.3 D3.3 D4.3 D5.3 D6.3 D7.3 D8.3 D9.3 D10.3 D11.3 D12.3 J1#4.1 J1#5.1 J505.1 J508.6 R2#2.1 R3#2.1 R403.2 R410.1 R501.1 S401.3 U1.8 U1#2.4 U1#2.5 U1#2.9 U1#2.12 U1#2.13 U1#3.8 U1#4.8 U1#5.8 U1#6.4 U2.8 U2#2.8 U2#3.8 U2#4.8 U401.1 U401.3 U402.1 U402.4
/Audio/ADCVREF: C302.1 C306.1 U301.19
/Audio/I2C_ADDR_SEL: R301.2 R302.2 U301.26
/Audio/LOUT1: C316.1 U301.12
/Audio/LOUT2: C318.1 U301.15
/Audio/ROUT1: C317.1 U301.11
/Audio/ROUT2: C319.1 U301.14
/Audio/VMID: C303.1 C307.1 U301.20
/Audio/VREF/LCOM: C301.1 C305.1 C326.1 U301.10
/CODEC_I2C_SCL: J512.4 R103.2 U301.28
/CODEC_I2C_SDA: J512.3 R102.2 U301.27
/CODEC_I2S_DIN: U203.7 U301.6
/CODEC_I2S_DOUT: U203.5 U301.8
/CODEC_I2S_LRCK: U203.8 U301.7
/CODEC_I2S_MCLK: U203.10 U301.1
/CODEC_I2S_SCLK: U203.9 U301.5
/CS: U1.1 U1#3.1 U1#4.1 U1#5.1 U2.1 U2#2.1 U2#3.1 U2#4.1
/D+: J1#6.2 J2#2.2
/D-: J1#6.3 J2#2.3
/HOLD: U1.7 U1#3.7 U1#4.7 U1#5.7 U2.7 U2#2.7 U2#3.7 U2#4.7
/HPOUT_L: C316.2 J506.T J506.TN
/HPOUT_R: C317.2 J506.R J506.RN
/I2C_SCL: J1#2.4 J2#3.4 J3.4 U203.3
/I2C_SDA: J1#2.3 J2#3.3 J3.3 U203.4
/INL: C2#2.1 J1#4.4
/INR: C3#2.1 J1#4.5
/LCD_BL: LCD501.8 U203.12
/LCD_DC: LCD501.6 U203.17
/LCD_RST: LCD501.5 U203.16
/LCD_SPI_CS: LCD501.7 U203.13
/LCD_SPI_MOSI: LCD501.4 U203.15
/LCD_SPI_SCK: LCD501.3 U203.14
/LINEIN_L: C314.2 J504.T J504.TN J505.4
/LINEIN_R: C315.2 J504.R J504.RN J505.5
/LINEOUT_L: C318.2 J508.3 J510.T J510.TN
/LINEOUT_R: C319.2 J508.2 J510.R J510.RN
/LOUT+: J2.1 J6.1 U1#2.1
/LOUT-: J2.2 J6.2 U1#2.3
/MCU-Core/GPIO0: R202.2 U202.1 U203.2
/MCU-Core/QSPI_SCLK: U201.6 U202.6 U203.56
/MCU-Core/QSPI_SD0: U201.5 U202.5 U203.57
/MCU-Core/QSPI_SD1: U201.2 U202.2 U203.59
/MCU-Core/QSPI_SD2: U201.3 U202.3 U203.58
/MCU-Core/QSPI_SD3: U201.7 U202.7 U203.55
/MCU-Core/QSPI_SS: R201.2 R205.1 U201.1 U203.60
/MCU-Core/VREG_AVDD: C208.1 R204.2 U203.46
/MCU-Core/VREG_LX: L201.2 U203.48
/MCU-Core/XIN: C205.1 U203.21 Y201.1
/MCU-Core/XOUT: R206.1 U203.22
/MCU-Core/~{USB_BOOT}: R205.2 SW201.2
/MIC_L: C312.2 C322.1 J502.T J502.TN R305.2
/MIC_R: C313.2 C325.1 J502.R J502.RN R307.2
/MISO: U1.2 U1#3.2 U1#4.2 U1#5.2 U2.2 U2#2.2 U2#3.2 U2#4.2
/MOSI: U1.5 U1#3.5 U1#4.5 U1#5.5 U2.5 U2#2.5 U2#3.5 U2#4.5
/PEDAL_1: C501.1 J503.1 R505.2 U203.18
/PEDAL_2: C502.1 J507.1 R506.2 U203.19
/Power/PG_BUCK: R101.2 R403.1 U402.5
/R_POT_1: RV501.2 U203.41
/R_POT_2: RV502.2 U203.42
/R_POT_3: RV503.2 U203.43
/ROTARY_ENCODER_BUTTON: C508.1 SW501.S2 U203.37
/ROTARY_ENCODER_CLK: C504.1 R507.2 SW501.A U203.27
/ROTARY_ENCODER_DT: C505.1 R508.2 SW501.B U203.28
/ROUT+: J3#2.1 J4.1 U1#2.16
/ROUT-: J3#2.2 J4.2 U1#2.14
/RST: C3.1 U1#6.12
/RUN: R101.1 SW202.2 U203.26
/SCK: U1.6 U1#3.6 U1#4.6 U1#5.6 U2.6 U2#2.6 U2#3.6 U2#4.6
/SD_CLK/SCK: J511.5 U203.29
/SD_CMD/MOSI: J511.3 U203.31
/SD_DAT0/MISO: J511.7 U203.32
/SD_DAT1: J511.8 U203.33
/SD_DAT2: J511.1 U203.34
/SD_DAT3/CS: J511.2 U203.35
/SD_DET: C507.1 J511.9 R509.2 U203.36
/SWCLK: J509.2 U203.24
/SWD: J509.3 U203.25
/USB_D+: D501.2 J501.A6 J501.B6 R207.1
/USB_D-: D501.3 J501.A7 J501.B7 R208.1
/VREF: C5.1 U1#2.8
/WP: U1.3 U1#3.3 U1#4.3 U1#5.3 U2.3 U2#2.3 U2#3.3 U2#4.3
BUZZER: Q1#2.1 R1#3.1 U1#6.9
NEOPIXEL: D1.2 U1#6.5
SDA/TX: J1#5.2 U1#6.2 U1#6.3
SWIO/SCL/RX: J1#5.3 U1#6.10
Net-(BZ1-+): BZ1.1 D13.1 R2#2.2
Net-(BZ1--): BZ1.2 D13.2 Q1#2.3
Net-(C2-Pad2): C2#2.2 R1#2.1
Net-(C3-Pad2): C3#2.2 R2#3.1
Net-(C206-Pad1): C206.1 R206.2 Y201.3
Net-(C320-Pad1): C320.1 C321.1 R304.2 R305.1
Net-(C323-Pad1): C323.1 C324.1 R306.2 R307.1
Net-(C326-Pad2): C326.2 R308.2
Net-(C327-Pad2): C327.2 R309.1
Net-(D1-DOUT): D1.4 D2.2
Net-(D2-DOUT): D2.4 D3.2
Net-(D3-DOUT): D3.4 D4.2
Net-(D4-DOUT): D4.4 D5.2
Net-(D5-DOUT): D5.4 D6.2
Net-(D6-DOUT): D6.4 D7.2
Net-(D7-DOUT): D7.4 D8.2
Net-(D8-DOUT): D8.4 D9.2
Net-(D10-DIN): D9.4 D10.2
Net-(D10-DOUT): D10.4 D11.2
Net-(D11-DOUT): D11.4 D12.2
Net-(D401-A): C403.1 D401.2 D402.2 R404.2 U403.4 U403.8
Net-(D401-K): D401.1 R401.1
Net-(D402-K): D402.1 R402.1
Net-(D403-K): D403.1 JP401.2 Q401.2 S401.2
Net-(D404-A): D404.2 R410.2
Net-(D501-REF): D501.4 F501.1 J501.A4 J501.A9 J501.B4 J501.B9
Net-(J1-Pin_1): J1.1 J1#3.1 Q1.2 Q2.2 Q3.3 R1.1 R2.1 R3.1 R4.1 R5.1 R6.1 R7.1
Net-(J1-Pin_2): J1.2 J1#3.2 Q1.3 Q2.3 Q3.2 R1.2 R2.2 R3.2 R4.2 R5.2 R6.2 R7.2
Net-(J1-Pin_3): J1.3 Q1.1 Q2.1 Q3.1
Net-(J501-CC1): J501.A5 R503.1
Net-(J501-CC2): J501.B5 R504.1
Net-(R203-Pad1): R203.1 SW202.1
Net-(R510-Pad2): R510.2 SW501.S1
Net-(U1-INL): R1#2.2 U1#2.7
Net-(U1-INR): R2#3.2 U1#2.10
Net-(U1-VDD): C7.2 R3#2.2 U1#2.6
Net-(U203-USB_DM): R208.2 U203.51
Net-(U203-USB_DP): R207.2 U203.52
Net-(U301-LIN1): C312.1 U301.24
Net-(U301-LIN2): C314.1 U301.22
Net-(U301-NC/HPCOM): C327.1 U301.9
Net-(U301-NC/MODE): R310.1 U301.25
Net-(U301-RIN1): C313.1 U301.23
Net-(U301-RIN2): C315.1 U301.21
Net-(U402-FB): C405.2 R405.2 R406.1 U402.6
Net-(U402-SW): L401.1 U402.3
Net-(U403-PROG): R407.1 U403.2
Net-(U403-TEMP): R408.1 U403.1
Net-(U403-~{CHRG}): R402.2 U403.7
Net-(U403-~{STDBY}): R401.2 U403.6

Pads without a net: D12 4; J1#4 2; J501 A8 B8; S401 1; U1#6 1 6 7 8 11; U401 4

## Via types
v1: diameter 0.6, hole 0.3, Top to Bottom, 1441 vias
v2: diameter 0.4, hole 0.2, Top to Bottom, 21 vias
